# KiCad board Quanta75_BareRP2040_JLCPCBAoptimized.kicad_pcb (continued)
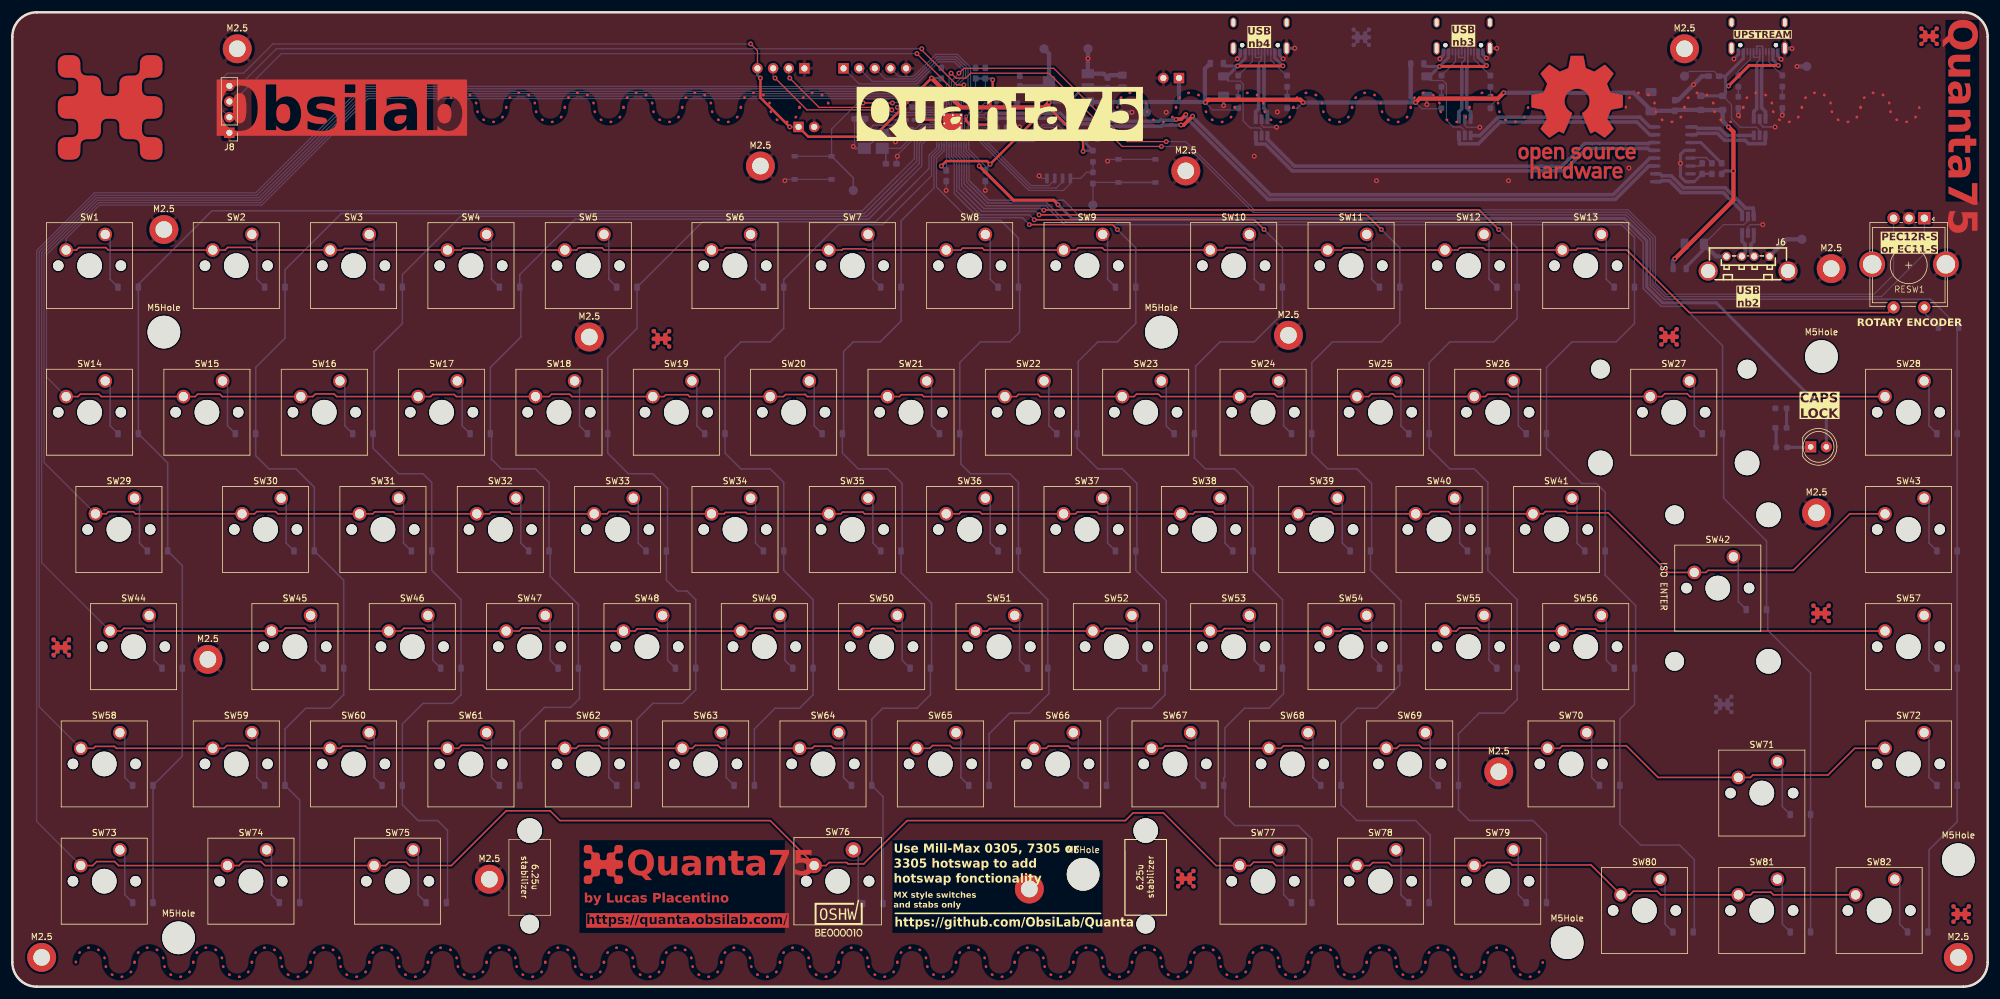
[diagram p0: board, top side]
## Footprints (pads in the part's own frame, mm; a bottom-side part is the same pattern mirrored in y, then rotated)
C_0402_1005Metric_Pad0.74x0.62mm_HandSolder
  rrect 0.735x0.62 smd: 1(-0.568,0) 2(0.568,0)
C_0603_1608Metric_Pad1.08x0.95mm_HandSolder
  rrect 1.075x0.95 smd: 1(-0.863,0) 2(0.863,0)
C_0805_2012Metric_Pad1.18x1.45mm_HandSolder
  rrect 1.175x1.45 smd: 1(-1.038,0) 2(1.038,0)
C_1206_3216Metric_Pad1.33x1.80mm_HandSolder
  rrect 1.325x1.8 smd: 1(-1.562,0) 2(1.562,0)
Crystal_SMD_3225-4Pin_3.2x2.5mm_HandSoldering
  rect 2.1x1.8 smd: 1(-1.45,-1.15) 2(1.45,-1.15) 3(1.45,1.15) 4(-1.45,1.15)
D_SOD-123
  rrect 0.9x1.2 smd: 1(-1.65,0) 2(1.65,0)
Ferrite_0805_2012Metric
  rrect 0.875x1.2 smd: 1(-1.062,0) 2(1.062,0)
Ferrite_0805_2012Metric_Pad1.05x1.20mm_BigPads
  rrect 1.05x1.2 smd: 1(-1.15,0) 2(1.15,0)
LED_D5.0mm_Clear
  rect 1.8x1.8 hole 0.9: 1(0,0)
  round 1.8 hole 0.9: 2(2.54,0)
MountingHole_2.7mm_M2.5_DIN965_Pad
  round 4.7 hole 2.7: 1(0,0)
MountingHole_5.3mm_M5
  round 5.3 hole 5.3 unplated: (0,0)
PinHeader_1x02_P2.54mm_Vertical
  rect 1.7x1.7 hole 1: 1(0,0)
  oval 1.7x1.7 hole 1: 2(0,-2.54)
PinHeader_1x04_P2.54mm_Vertical
  rect 1.7x1.7 hole 1: 1(0,0)
  oval 1.7x1.7 hole 1: 2(0,-2.54) 3(0,-5.08) 4(0,-7.62)
PinHeader_1x05_P2.54mm_Vertical
  rect 1.7x1.7 hole 1: 1(0,0)
  oval 1.7x1.7 hole 1: 2(0,-2.54) 3(0,-5.08) 4(0,-7.62) 5(0,-10.16)
QFN-56-1EP_7x7mm_P0.4mm_EP3.2x3.2mm_ThermalVias
  custom 1.239x1.239 smd: (-0.675,-0.675) (-0.675,0.675) (0.675,-0.675) (0.675,0.675)
  rrect 0.875x0.2 smd: 1(-3.438,2.6) 2(-3.438,2.2) 3(-3.438,1.8) 4(-3.438,1.4) 5(-3.438,1) 6(-3.438,0.6) 7(-3.438,0.2) 8(-3.438,-0.2) 9(-3.438,-0.6) 10(-3.438,-1) 11(-3.438,-1.4) 12(-3.438,-1.8) 13(-3.438,-2.2) 14(-3.438,-2.6) 29(3.438,-2.6) 30(3.438,-2.2) 31(3.438,-1.8) 32(3.438,-1.4) 33(3.438,-1) 34(3.438,-0.6) 35(3.438,-0.2) 36(3.438,0.2) 37(3.438,0.6) 38(3.438,1) 39(3.438,1.4) 40(3.438,1.8) 41(3.438,2.2) 42(3.438,2.6)
  rrect 0.2x0.875 smd: 15(-2.6,-3.438) 16(-2.2,-3.438) 17(-1.8,-3.438) 18(-1.4,-3.438) 19(-1,-3.438) 20(-0.6,-3.438) 21(-0.2,-3.438) 22(0.2,-3.438) 23(0.6,-3.438) 24(1,-3.438) 25(1.4,-3.438) 26(1.8,-3.438) 27(2.2,-3.438) 28(2.6,-3.438) 43(2.6,3.438) 44(2.2,3.438) 45(1.8,3.438) 46(1.4,3.438) 47(1,3.438) 48(0.6,3.438) 49(0.2,3.438) 50(-0.2,3.438) 51(-0.6,3.438) 52(-1,3.438) 53(-1.4,3.438) 54(-1.8,3.438) 55(-2.2,3.438) 56(-2.6,3.438)
  round 0.5 hole 0.3: 57(-1.35,-1.35) 57(-1.35,1.35) 57(-1.346,0) 57(0,-1.346) 57(0,0) 57(0,1.35) 57(1.346,0) 57(1.35,-1.35) 57(1.35,1.35)
  rect 3.2x3.2 smd far side: 57(0,0)
  rect 3.2x3.2 smd: 57(0,0)
R_0402_1005Metric_Pad0.72x0.64mm_HandSolder
  rrect 0.715x0.64 smd: 1(-0.598,0) 2(0.598,0)
R_0603_1608Metric_Pad0.98x0.95mm_HandSolder
  rrect 0.975x0.95 smd: 1(-0.912,0) 2(0.912,0)
RotaryEncoder_both_AlpsEC11E-S_BournsPEC12R-3-S
  rect 2x2 hole 1.19: A(-7.592,11.943)
  round 2 hole 1.19: B(-7.592,6.943) C(-7.592,9.443)
  round 2 hole 1: S1(6.908,6.943) S2(6.908,11.943)
  round 4.2 hole 3: SH(-0.098,15.44) SH(-0.094,3.473)
SOIC-8_5.23x5.23mm_P1.27mm
  rrect 1.6x0.6 smd: 1(-3.6,1.905) 2(-3.6,0.635) 3(-3.6,-0.635) 4(-3.6,-1.905) 5(3.6,-1.905) 6(3.6,-0.635) 7(3.6,0.635) 8(3.6,1.905)
SOP-16_L10.0-W3.9-P1.27-LS6.0-BL
  oval 0.56x1.75 smd: 1(-4.45,-2.87) 2(-3.18,-2.87) 3(-1.91,-2.87) 4(-0.63,-2.87) 5(0.63,-2.87) 6(1.9,-2.87) 7(3.17,-2.87) 8(4.44,-2.87) 9(4.44,2.87) 10(3.17,2.87) 11(1.9,2.87) 12(0.63,2.87) 13(-0.63,2.87) 14(-1.91,2.87) 15(-3.18,2.87) 16(-4.45,2.87)
SOT-23-6_Handsoldering
  rect 1.56x0.65 smd: 1(-1.35,0.95) 2(-1.35,0) 3(-1.35,-0.95) 4(1.35,-0.95) 5(1.35,0) 6(1.35,0.95)
SOT-223-3_TabPin2
  rect 2x1.5 smd: 1(-3.15,2.3) 2(-3.15,0) 3(-3.15,-2.3)
  rect 2x3.8 smd: 2(3.15,0)
Stabilizer_Cherry_MX_6.25u
  round 3.048 hole 3.048 unplated: (-50,6.985) (50,6.985)
  round 3.988 hole 3.988 unplated: (-50,-8.225) (50,-8.225)
SW_Cherry_MX_1.00u_PCB
  round 1.7 hole 1.7 unplated: (-7.62,-5.08) (2.54,-5.08)
  round 4 hole 4 unplated: (-2.54,-5.08)
  round 2.2 hole 1.5: 1(0,0) 2(-6.35,-2.54)
SW_Cherry_MX_1.25u_PCB
  round 1.7 hole 1.7 unplated: (-7.62,-5.08) (2.54,-5.08)
  round 4 hole 4 unplated: (-2.54,-5.08)
  round 2.2 hole 1.5: 1(0,0) 2(-6.35,-2.54)
SW_Cherry_MX_1.50u_PCB
  round 1.7 hole 1.7 unplated: (-7.62,-5.08) (2.54,-5.08)
  round 4 hole 4 unplated: (-2.54,-5.08)
  round 2.2 hole 1.5: 1(0,0) 2(-6.35,-2.54)
SW_Cherry_MX_1.75u_PCB
  round 1.7 hole 1.7 unplated: (-7.62,-5.08) (2.54,-5.08)
  round 4 hole 4 unplated: (-2.54,-5.08)
  round 2.2 hole 1.5: 1(0,0) 2(-6.35,-2.54)
SW_Cherry_MX_2.00u_PCB
  round 3.05 hole 3.05 unplated: (-14.44,1.92) (9.36,1.92)
  round 4 hole 4 unplated: (-14.44,-13.32) (-2.54,-5.08) (9.36,-13.32)
  round 1.7 hole 1.7 unplated: (-7.62,-5.08) (2.54,-5.08)
  round 2.2 hole 1.5: 1(0,0) 2(-6.35,-2.54)
SW_Cherry_MX_ISOEnter_PCB
  round 3.05 hole 3.05 unplated: (-9.54,6.82) (-9.54,-16.98)
  round 1.7 hole 1.7 unplated: (-7.62,-5.08) (2.54,-5.08)
  round 4 hole 4 unplated: (-2.54,-5.08) (5.7,6.82) (5.7,-16.98)
  round 2.2 hole 1.5: 1(0,0) 2(-6.35,-2.54)
SW_Cherry_MX_PCB_6.25u
  round 1.75 hole 1.75 unplated: (-5.08,0) (5.08,0)
  round 4 hole 4 unplated: (0,0)
  round 2.5 hole 1.5: 1(-3.81,2.54) 2(2.54,5.08)
SW_Push_1P1T_XKB_TS-1187A
  rect 1x0.75 smd: 1(-3,1.875) 1(3,1.875) 2(-3,-1.875) 2(3,-1.875)
TestPoint_Pad_D1.5mm
  round 1.5 smd: 1(0,0)
USB-A-TH_KH-AF180ZJ-13.7
  round 1.5 hole 1: 1(-3.52,1.2) 2(-1.02,1.2) 3(0.98,1.2) 4(3.48,1.2)
  round 3.1 hole 2.3: 5(6.48,-1.18) 6(-6.48,-1.2)
USB-C-SMD_G-SWITCH_GT-USB-7010EN
  round 0.7 hole 0.7: (-2.89,1.3) (2.89,1.3)
  oval 1x2.1 hole 0.6x1.7: 1(-4.32,1.8) 2(4.32,1.8)
  oval 1x1.6 hole 0.6x1.3: 3(4.32,-2.38) 4(-4.32,-2.38)
  rect 0.6x1.15 smd: A1(-3.2,2.38) A4(-2.4,2.38) B1(3.2,2.38) B4(2.4,2.38)
  rect 0.3x1.15 smd: A5(-1.25,2.38) A6(-0.25,2.38) A7(0.25,2.38) A8(1.25,2.38) B5(1.75,2.38) B6(0.75,2.38) B7(-0.75,2.38) B8(-1.75,2.38)

## Nets
+1V1: C16.1 C17.1 C25.1 U1.23 U1.45 U1.50
+3V3: C12.1 C14.1 C18.1 C19.1 C20.1 C21.1 C22.1 C26.1 C27.1 C28.2 J3.1 J5.4 J8.2 R16.2 R21.2 TP3.1 U1.1 U1.10 U1.22 U1.33 U1.42 U1.43 U1.44 U1.48 U1.49 U3.2 U4.8
+5V: C3.2 C7.2 C9.2 C13.1 C15.2 FB4.2 FB5.1 FB6.1 FB7.1 FB9.2 J2.1 R6.2 R9.2 R11.2 R14.2 TP4.1 U3.3
GND: C1.2 C2.2 C4.1 C5.2 C6.2 C7.1 C8.1 C9.1 C10.2 C11.2 C12.2 C13.2 C14.2 C15.1 C16.2 C17.2 C18.2 C19.2 C20.2 C21.2 C22.2 C25.2 C26.2 C27.2 C28.1 D83.2 D84.2 D85.2 D86.2 J1.2 J1.A1 J1.B1 J2.2 J3.2 J5.1 J6.4 J6.5 J7.2 J7.A1 J7.B1 J8.1 J9.2 J9.A1 J9.B1 J10.5 M2.5.1 M2.5#2.1 M2.5#4.1 M2.5#5.1 M2.5#6.1 M2.5#7.1 M2.5#8.1 M2.5#9.1 M2.5#10.1 M2.5#11.1 M2.5#12.1 M2.5#13.1 R1.2 R3.2 R15.2 RESW1.C RESW1.SH TP5.1 TP6.1 TP14.1 U1.19 U1.57 U2.12 U2.16 U3.1 U4.4 Y1.2 Y1.4 ~{BOOTSEL}.2 ~{RESET}.1
VBUS_UP: C4.2 D83.5 FB4.1 FB9.1 J1.A4 J1.B4 TP13.1
/GPIO24_SPI1RX_UART1TX_I2C0SDA_PWM4A_CLOCKGPOUT2: J10.1 U1.36
/GPIO25_SPI1CSn_UART1RX_I2C0SCL_PWM4B_CLOCKGPOUT3: J10.2 U1.37
/GPIO28_ADC2_SPI1RX_UART0TX_I2C0SDA_PWM6A: J10.3 U1.40
/GPIO29_ADC3_SPI1CSn_UART0RX_I2C0SCL_PWM6B: J10.4 U1.41
/RP2040_D+: R19.1 U1.47
/RP2040_D-: R20.1 U1.46
/SWCLK: J5.3 U1.24
/SWD: J5.2 U1.25
/USB2+: D84.1 J6.3
/USB2-: D84.3 J6.2
/USB3+: D85.3 J9.A6 J9.B6
/USB3-: D85.1 J9.A7 J9.B7
/USB4+: D86.3 J7.A6 J7.B6
/USB4-: D86.1 J7.A7 J7.B7
/USBUP+: D83.4 U2.10
/USBUP-: D83.6 U2.9
/XIN: C10.1 U1.20 Y1.3
/XOUT: R18.1 U1.21
/~{RESET}: R21.1 TP2.1 U1.26 ~{RESET}.2
/~{USB_BOOT}: R17.1 TP1.1 ~{BOOTSEL}.1
Column1: D1.1 D14.1 D29.1 D44.1 D58.1 D73.1 U1.18
Column2: D2.1 D15.1 D30.1 D45.1 D59.1 D74.1 U1.17
Column3: D3.1 D16.1 D31.1 D46.1 D60.1 D75.1 U1.16
Column4: D4.1 D17.1 D32.1 D47.1 D61.1 U1.15
Column5: D5.1 D18.1 D33.1 D48.1 D62.1 U1.14
Column6: D6.1 D19.1 D34.1 D49.1 D63.1 U1.13
Column7: D7.1 D20.1 D35.1 D50.1 D64.1 D76.1 U1.12
Column8: D8.1 D21.1 D36.1 D51.1 D65.1 U1.11
Column9: D9.1 D22.1 D37.1 D52.1 D66.1 U1.9
Column10: D10.1 D23.1 D38.1 D53.1 D67.1 D77.1 U1.8
Column11: D11.1 D24.1 D39.1 D54.1 D68.1 D78.1 U1.7
Column12: D12.1 D25.1 D40.1 D55.1 D69.1 D79.1 U1.6
Column13: D13.1 D26.1 D41.1 D56.1 D70.1 D80.1 U1.5
Column14: D27.1 D42.1 D71.1 D81.1 U1.4
Column15: D28.1 D43.1 D57.1 D72.1 D82.1 RESWD1.1 U1.3
GPIO0_LED: D87.2 U1.2
I2C1-SCL: J8.3 U1.39
I2C1-SDA: J8.4 U1.38
QSPI_SCLK: U1.52 U4.6
QSPI_SD0: U1.53 U4.5
QSPI_SD1: U1.55 U4.2
QSPI_SD2: U1.54 U4.3
QSPI_SD3: U1.51 U4.7
QSPI_SS: R16.1 R17.2 U1.56 U4.1
REA: RESW1.A U1.34
REB: RESW1.B U1.35
Row1: RESW1.S1 SW1.2 SW2.2 SW3.2 SW4.2 SW5.2 SW6.2 SW7.2 SW8.2 SW9.2 SW10.2 SW11.2 SW12.2 SW13.2 U1.27
Row2: SW14.2 SW15.2 SW16.2 SW17.2 SW18.2 SW19.2 SW20.2 SW21.2 SW22.2 SW23.2 SW24.2 SW25.2 SW26.2 SW27.2 SW28.2 U1.28
Row3: SW29.2 SW30.2 SW31.2 SW32.2 SW33.2 SW34.2 SW35.2 SW36.2 SW37.2 SW38.2 SW39.2 SW40.2 SW41.2 SW42.2 SW43.2 U1.29
Row4: SW44.2 SW45.2 SW46.2 SW47.2 SW48.2 SW49.2 SW50.2 SW51.2 SW52.2 SW53.2 SW54.2 SW55.2 SW56.2 SW57.2 U1.30
Row5: SW58.2 SW59.2 SW60.2 SW61.2 SW62.2 SW63.2 SW64.2 SW65.2 SW66.2 SW67.2 SW68.2 SW69.2 SW70.2 SW71.2 SW72.2 U1.31
Row6: SW73.2 SW74.2 SW75.2 SW76.1 SW77.2 SW78.2 SW79.2 SW80.2 SW81.2 SW82.2 U1.32
USB1_D+: R19.2 U2.4
USB1_D-: R20.2 U2.3
USB2_D+: D84.6 U2.2
USB2_D-: D84.4 U2.1
USB3_D+: D85.4 U2.8
USB3_D-: D85.6 U2.7
USB4_D+: D86.4 U2.6
USB4_D-: D86.6 U2.5
USB_UP_D+: D83.3 J1.A6 J1.B6
USB_UP_D-: D83.1 J1.A7 J1.B7
Net-(C11-Pad1): C11.1 R18.2 Y1.1
Net-(D1-A): D1.2 SW1.1
Net-(D2-A): D2.2 SW2.1
Net-(D3-A): D3.2 SW3.1
Net-(D4-A): D4.2 SW4.1
Net-(D5-A): D5.2 SW5.1
Net-(D6-A): D6.2 SW6.1
Net-(D7-A): D7.2 SW7.1
Net-(D8-A): D8.2 SW8.1
Net-(D9-A): D9.2 SW9.1
Net-(D10-A): D10.2 SW10.1
Net-(D11-A): D11.2 SW11.1
Net-(D12-A): D12.2 SW12.1
Net-(D13-A): D13.2 SW13.1
Net-(D14-A): D14.2 SW14.1
Net-(D15-A): D15.2 SW15.1
Net-(D16-A): D16.2 SW16.1
Net-(D17-A): D17.2 SW17.1
Net-(D18-A): D18.2 SW18.1
Net-(D19-A): D19.2 SW19.1
Net-(D20-A): D20.2 SW20.1
Net-(D21-A): D21.2 SW21.1
Net-(D22-A): D22.2 SW22.1
Net-(D23-A): D23.2 SW23.1
Net-(D24-A): D24.2 SW24.1
Net-(D25-A): D25.2 SW25.1
Net-(D26-A): D26.2 SW26.1
Net-(D27-A): D27.2 SW27.1
Net-(D28-A): D28.2 SW28.1
Net-(D29-A): D29.2 SW29.1
Net-(D30-A): D30.2 SW30.1
Net-(D31-A): D31.2 SW31.1
Net-(D32-A): D32.2 SW32.1
Net-(D33-A): D33.2 SW33.1
Net-(D34-A): D34.2 SW34.1
Net-(D35-A): D35.2 SW35.1
Net-(D36-A): D36.2 SW36.1
Net-(D37-A): D37.2 SW37.1
Net-(D38-A): D38.2 SW38.1
Net-(D39-A): D39.2 SW39.1
Net-(D40-A): D40.2 SW40.1
Net-(D41-A): D41.2 SW41.1
Net-(D42-A): D42.2 SW42.1
Net-(D43-A): D43.2 SW43.1
Net-(D44-A): D44.2 SW44.1
Net-(D45-A): D45.2 SW45.1
Net-(D46-A): D46.2 SW46.1
Net-(D47-A): D47.2 SW47.1
Net-(D48-A): D48.2 SW48.1
Net-(D49-A): D49.2 SW49.1
Net-(D50-A): D50.2 SW50.1
Net-(D51-A): D51.2 SW51.1
Net-(D52-A): D52.2 SW52.1
Net-(D53-A): D53.2 SW53.1
Net-(D54-A): D54.2 SW54.1
Net-(D55-A): D55.2 SW55.1
Net-(D56-A): D56.2 SW56.1
Net-(D57-A): D57.2 SW57.1
Net-(D58-A): D58.2 SW58.1
Net-(D59-A): D59.2 SW59.1
Net-(D60-A): D60.2 SW60.1
Net-(D61-A): D61.2 SW61.1
Net-(D62-A): D62.2 SW62.1
Net-(D63-A): D63.2 SW63.1
Net-(D64-A): D64.2 SW64.1
Net-(D65-A): D65.2 SW65.1
Net-(D66-A): D66.2 SW66.1
Net-(D67-A): D67.2 SW67.1
Net-(D68-A): D68.2 SW68.1
Net-(D69-A): D69.2 SW69.1
Net-(D70-A): D70.2 SW70.1
Net-(D71-A): D71.2 SW71.1
Net-(D72-A): D72.2 SW72.1
Net-(D73-A): D73.2 SW73.1
Net-(D74-A): D74.2 SW74.1
Net-(D75-A): D75.2 SW75.1
Net-(D76-A): D76.2 SW76.2
Net-(D77-A): D77.2 SW77.1
Net-(D78-A): D78.2 SW78.1
Net-(D79-A): D79.2 SW79.1
Net-(D80-A): D80.2 SW80.1
Net-(D81-A): D81.2 SW81.1
Net-(D82-A): D82.2 SW82.1
Net-(D84-VP): C8.2 D84.5 FB5.2 J6.1
Net-(D85-VP): C5.1 D85.5 FB6.2 J9.A4 J9.B4
Net-(D86-VP): C6.1 D86.5 FB7.2 J7.A4 J7.B4
Net-(D87-K): D87.1 R12.1
Net-(J1-CC1): J1.A5 R4.1
Net-(J1-CC2): J1.B5 R2.1
Net-(J7-CC1): J7.A5 R5.1
Net-(J7-CC2): J7.B5 R8.1
Net-(J9-CC1): J9.A5 R10.1
Net-(J9-CC2): J9.B5 R7.1
Net-(R1-Pad1): R1.1 R4.2
Net-(R2-Pad2): R2.2 R3.1
Net-(R5-Pad2): R5.2 R6.1
Net-(R8-Pad2): R8.2 R9.1
Net-(R10-Pad2): R10.2 R14.1
Net-(R11-Pad1): R7.2 R11.1
Net-(R12-Pad2): R12.2 R13.1
Net-(R13-Pad2): R13.2 R15.1
Net-(RESWD1-A): RESW1.S2 RESWD1.2
Net-(U2-VDD5): C3.1 U2.11
Net-(U2-VDD18): C2.1 U2.14
Net-(U2-VDD33): C1.1 U2.13

Pads without a net: J1 1 3 4 A8 B8; J6 6; J7 1 3 4 A8 B8; J9 1 3 4 A8 B8; M2.5#3 1; M2.5#14 1; M2.5#15 1; U2 15

## Via types
v1: diameter 0.8, hole 0.4, Top to Bottom, 91 vias
v2: diameter 0.6, hole 0.35, Top to Bottom, 4 vias

## Routing (per net, layer and track width the routed paths; a pad name or vN(x,y) marks a point on that pad's centre or on a via; arc(x,y) is an arc through that point)
+1V1: length 31.8
  Top w0.4: v2(147.18,140.83) 147.23,140.88 150.64,140.88 150.66,140.9 150.66,140.93 ; v2(154.86,141.41) 154.86,140.67 155.47,140.07 v2(158.57,140.07)
  Bottom w0.2: U1.50 158.56,140.07 v2(158.57,140.07) 159.02,139.61 159.69,139.61 ; v2(147.18,140.83) 147.22,140.88 U1.23 ; C17.1 160.69,142.88 157.96,142.88 157.16,142.07 U1.45 155.53,142.07 v2(154.86,141.41) 154.56,141.1 ; 150.76,140.87 v2(150.69,140.93)
  Bottom w0.25: 150.76,140.87 150.76,138.38 154.56,138.38 154.56,141.1 ; v2(147.18,140.83) 146.37,140.83
+3V3: length 293.3
  Top w0.2: v1(119.86,153.19) 120.97,152.08 J5.4
  Top w0.4: v1(173.83,135.73) 173.83,137.32 168.3,142.85 v1(168.3,143.67) 168.3,143.2 v1(158.73,133.64) 158.23,134.15 151.61,134.15 v1(150.81,133.35) ; v1(159.15,147.35) 159.15,144.87 v1(158.75,144.46) 158.75,142.88 ; v1(143.68,142.88) 144.47,142.88 ; 144.47,142.88 144.47,142.74 139.84,138.11 129.22,138.11 J3.1 ; 144.47,142.88 v1(149.23,147.64) ; v1(126.21,139.7) 121.44,144.46 v1(121.44,147.64)
  Top w0.7: v1(149.23,147.64) 153.99,142.88 167.51,142.88 v1(168.3,143.67)
  Bottom w0.2: 151.61,142.88 151.66,142.92 U1.33 151.66,146.73 C18.1 ; C22.1 156.37,145.26 155.26,144.14 U1.42 155.26,142.91 ; 155.29,142.88 U1.43 156.37,143.15 156.37,144.43 157.96,146.02 C21.1 ; 155.29,142.88 155.26,142.91 ; 155.29,142.88 155.69,142.47 U1.44 156.72,142.47 157.87,143.62 C26.1 ; 155.26,142.91 155.3,142.87 ; C20.1 157.96,133.35 155.26,136.05 U1.1 155.26,137.63 155.24,137.64 155.24,137.65 155.01,137.87 ; 151.66,137.64 U1.10 151.66,132.67 C19.1 ; v1(119.86,153.19) 42.3,153.19 37.53,148.43 34.93,148.43 33.34,146.84 33.34,143.19 J8.2 ; U1.49 155.21,140.47 155.19,140.49 155.57,140.88 U1.48 ; U1.22 150,140.47 150.02,140.49
  Bottom w0.25: U4.8 173.51,138.54 C27.1 ; 150,140.47 150.02,140.46 150.02,138.11 150.49,137.64 154.78,137.64 155.19,138.05 155.19,140.49 ; 150.02,140.49 150.02,142.08 150.81,142.88 155.29,142.88
  Bottom w0.4: C20.1 157.96,132.86 v1(158.73,133.64) ; C27.1 174.33,136.94 R16.2 173.95,135.85 v1(173.83,135.73) ; U3.2 173.83,146.05 171.45,143.67 v1(168.3,143.67) ; C26.1 158.62,144.33 v1(158.75,144.46) ; v1(126.21,139.7) J3.1 ; J5.4 120.97,148.11 v1(121.44,147.64) ; R21.2 143.68,142.88 v1(143.68,142.88) ; C22.1 C21.1 158.94,147.57 v1(159.15,147.35) ; C19.1 151.54,132.62 v1(150.81,133.35) ; v1(149.23,147.64) 150.74,147.64 C18.1
  Bottom w0.7: TP3.1 168.3,151.58 U3.2 ; C12.1 180.13,145.98 C14.1 177.73,146.05 U3.2 ; U3.2 168.06,146.29 163.57,146.29 C28.2 ; U3.2 v1(168.3,143.67)
+5V: length 278.8
  Top w0.4: 179.39,142.88 arc(181.77,145.26) 184.15,142.88 arc(186.53,140.49) 188.91,142.88 arc(191.29,145.26) 193.68,142.88 arc(196.06,140.49) 198.44,142.88 arc(200.82,145.26) 203.2,142.88 arc(205.58,140.49) 207.96,142.88 arc(210.34,145.26) 212.73,142.88 arc(215.11,140.49) 217.49,142.88 arc(219.87,145.26) 222.25,142.88 arc(224.63,140.49) 227.01,142.88 arc(229.39,145.26) 231.78,142.88 arc(234.16,140.49) 236.54,142.88 arc(238.92,145.26) 241.3,142.88 arc(243.68,140.49) 246.06,142.88
  Top w0.7: v1(269.88,118.27) 279.4,127.79 v1(279.4,132.56) 279.4,138.91 v1(278.61,139.7) ; v1(193.68,143.67) 194.13,144.12 209.1,144.12 v1(209.55,143.67) ; v1(242.09,145.26) 241.14,144.3 228.44,144.3 v1(227.81,143.67)
  Bottom w0.2: R14.2 231.9,142.65 228.83,142.65 v1(227.81,143.67) ; v1(193.68,143.67) 194.87,142.47 198.73,142.47 R6.2 ; v1(209.55,143.67) 208.63,142.75 R9.2 ; v1(242.09,145.26) 239.95,143.12 R11.2
  Bottom w0.5: 274.12,142.44 FB4.2 ; 266.11,142.32 C9.2 ; C3.2 277.98,132.56 v1(279.4,132.56) ; 270.02,142.46 C7.2
  Bottom w0.7: U3.3 177.79,143.75 C13.1 179.89,143.74 C15.2 184.15,143.75 ; 189.58,143.75 193.59,143.75 ; 189.58,143.75 189.39,143.93 J2.1 ; 189.58,143.75 184.15,143.75 ; 193.59,143.75 193.59,149.14 FB7.1 ; 193.59,143.75 v1(193.68,143.67) ; v1(278.61,139.7) 277.65,140.66 FB9.2 274.12,142.44 ; 184.15,143.75 TP4.1 ; FB5.1 269.61,118 v1(269.88,118.27) ; FB4.2 270.02,142.46 ; C7.2 266.11,142.32 263.18,145.26 v1(242.09,145.26) ; v1(209.55,143.67) v1(227.81,143.67) 227.01,144.46 FB6.1
GND: length 200.2
  Top w0.4: 261.94,142.88 arc(264.32,145.26) 266.7,142.88 arc(269.08,140.49) 271.46,142.88 arc(273.84,145.26) 276.23,142.88 arc(278.61,140.49) 280.99,142.88 arc(283.37,145.26) 285.75,142.88 arc(288.13,140.49) 290.51,142.88 arc(292.89,145.26) 295.28,142.88 arc(297.66,140.49) 300.04,142.88 arc(302.42,145.26) 304.8,142.88 arc(307.18,140.49) 309.56,142.88
  Bottom w0.2: v1(205.23,139.66) 203.12,139.66 202.8,139.98 D86.2 ; C19.2 v1(151.61,129.38) ; C10.2 143.53,134.8 v1(143.67,134.94) 143.67,135.14 147.8,139.28 U1.19 ; C26.2 160.6,144.46 161.13,144.46 ; D85.2 235.78,140.01 236.15,139.64 v1(238.22,139.64) ; ~{RESET}.1 ~{RESET}.1 125.63,131.19 v1(125.41,130.97) ; 161.13,144.46 162.18,144.46 C17.2 ; 161.13,144.46 v1(161.13,145.26) ; v1(166.69,131.76) 167.11,131.34 U4.4 ; v1(136.53,136.53) 136.72,136.72 C11.2 ; v1(177.8,134.14) 178.09,134.43 ~{BOOTSEL}.2 ~{BOOTSEL}.2 ; C16.2 163.42,139.61 v1(163.51,139.7) ; D84.2 281.76,123.45 282.13,123.83 v1(284.16,123.83) ; C20.2 v1(157.96,129.38)
  Bottom w0.25: v1(286.16,139.69) 286.16,139.69 284.21,139.69 283.66,140.25 D83.2 ; v1(141.29,140.69) 141.43,140.83 145.18,140.83 ; 138.62,136.23 Y1.4 138.61,136.23 140.91,138.53 Y1.2
  Bottom w0.4: U2.16 273.06,130.81 C2.2 275.89,132.07 C1.2 ; v1(136.53,136.53) 136.82,136.23 Y1.4 ; Y1.2 142.13,138.53 v1(143.38,137.27)
  Bottom w0.5: J1.A1 280.21,151.49 v1(279.48,150.76) ; U2.12 271.45,135.89 270.8,135.24 v1(270.8,133.78) 270.8,131.63 271.63,130.81 U2.16 ; v1(239.31,150.88) 238.73,151.45 J9.B1 ; v1(208.19,152.49) 208.18,152.48 J7.2 ; v1(198.87,150.76) 199.34,151.23 J7.A1 ; v1(240.98,152.47) 240.97,152.48 J9.2 ; C6.2 v1(196.63,143.17) ; v1(206.3,150.77) 205.74,151.34 J7.B1 ; C5.2 229.63,143.35 v1(229.62,143.35) ; J1.B1 286.61,151.22 v1(287.14,150.7) ; J9.A1 232.33,151.37 v1(231.74,150.78)
  Bottom w0.7: J1.2 287.79,152.44 v1(288.9,152.44) ; C4.1 274.3,147.95 v1(272.93,146.57) 270.4,144.05 C7.1 ; TP6.1 v1(174.63,150.81) 174.6,150.79 U3.1 177.16,148.35 C14.2 178.21,148.11 C12.2 ; R1.2 v1(280.19,141.6) ; J6.5 288.54,116.3 ; R3.2 v1(287.34,141.6) ; C13.2 177.81,142.02 C15.1 181.71,142.02 v1(181.77,142.08) ; TP14.1 v1(289.72,149.53) ; TP5.1 288.03,121.44 J6.4
  vias: v1(187.33,142.08) v1(201.61,134.94) v1(205.36,142.13) v1(221.46,130.97) v1(242.89,130.97) v1(262.44,133.02)
VBUS_UP: length 42.4
  Top w0.5: v1(278.61,146.36) 281.94,149.69 v1(286.7,149.69)
  Bottom w0.2: C4.2 276.31,148.72 272.24,148.72 TP13.1 ; FB9.1 279.09,143.3 279.09,141.08 280.51,139.65 283.12,139.65 283.66,139.11 D83.5
  Bottom w0.5: FB4.1 274.12,144.74 FB9.1 278.11,145.21 278.11,146.36 ; J1.A4 281.01,150.84 278.11,147.95 ; v1(286.7,149.69) 285.81,150.58 J1.B4 ; v1(278.61,146.36) 278.11,146.36 ; 278.11,146.36 278.11,147.95 ; 278.11,147.95 C4.2
/GPIO24_SPI1RX_UART1TX_I2C0SDA_PWM4A_CLOCKGPOUT2: length 28.3
  Bottom w0.2: J10.1 137.46,146.7 146.81,146.7 150.4,150.29 152.93,150.29 154.38,148.84 154.38,148.03 152.86,146.5 U1.36
/GPIO25_SPI1CSn_UART1RX_I2C0SCL_PWM4B_CLOCKGPOUT3: length 26.3
  Bottom w0.2: U1.37 153.26,146.29 154.78,147.81 154.78,149 153.09,150.69 150.23,150.69 146.64,147.1 139.6,147.1 J10.2
/GPIO28_ADC2_SPI1RX_UART0TX_I2C0SDA_PWM6A: length 24.7
  Bottom w0.2: J10.3 141.74,147.5 146.48,147.5 150.06,151.09 153.26,151.09 155.18,149.17 155.18,145.19 154.46,144.47 U1.40 154.46,144.46
/GPIO29_ADC3_SPI1CSn_UART0RX_I2C0SCL_PWM6B: length 21.9
  Bottom w0.2: J10.4 143.88,147.9 146.31,147.9 149.9,151.49 153.42,151.49 155.58,149.33 155.58,145.03 154.86,144.31 U1.41
/RP2040_D+: length 2.7
  Bottom w0.2: U1.47 157.8,141.28 158.09,140.98 R19.1
/RP2040_D-: length 2.7
  Bottom w0.2: U1.46 157.77,141.68 158.09,142 R20.1
/SWCLK: length 29.9
  Top w0.2: v1(123.83,147.64) 128.99,142.47 141.69,142.47 141.9,142.27 v1(141.9,141.98)
  Bottom w0.2: v1(141.9,141.98) 142.25,141.63 147.42,141.63 147.77,141.28 U1.24 ; J5.3 123.51,147.95 v1(123.83,147.64)
/SWD: length 27.1
  Top w0.2: v1(126.21,147.64) 130.97,142.88 142.36,142.88 v1(142.77,142.46)
  Bottom w0.2: U1.25 147.93,141.68 147.58,142.03 143.2,142.03 v1(142.77,142.46) ; J5.2 126.05,147.8 v1(126.21,147.64)
/USB2+: length 4.2
  Bottom w0.584: J6.3 282.24,119.2 282.24,120.64 282.71,121.11 D84.1
/USB2-: length 4.2
  Bottom w0.584: J6.2 281.29,119.2 281.29,120.65 280.81,121.13 D84.3
/USB3+: length 13.9
  Bottom w0.25: J9.A6 235.28,152.78 235.31,152.8 236.26,152.8 236.28,152.78 J9.B6 ; 236.29,149.51 236.29,151.1 ; 236.29,151.9 236.29,151.11
  Bottom w0.584: 236.26,149.4 236.1,149.23 236.1,142.8 236.74,142.16 236.74,140.99
/USB3-: length 12.9
  Bottom w0.25: 234.79,151.9 234.79,151.02 ; 235.31,149.52 235.31,150.12 235.79,150.6 235.79,151.9 ; 234.81,151 235.69,151
  Bottom w0.584: 234.84,140.99 234.84,142.16 235.31,142.64 235.31,149.4
/USB4+: length 13.7
  Bottom w0.2: J7.A6 202.29,152.73 202.34,152.78 203.24,152.78 203.29,152.73 J7.B6
  Bottom w0.25: 203.29,151.9 203.29,151.11 ; 203.3,149.52 203.3,151.11
  Bottom w0.584: 203.26,149.4 203.2,149.34 203.2,142.7 203.74,142.17 203.74,141
/USB4-: length 12.9
  Bottom w0.25: 202.32,149.52 202.32,150.13 202.79,150.6 202.79,151.9 ; 201.79,151.9 201.79,151.03 ; 201.82,151 202.69,151
  Bottom w0.584: 201.84,141 201.84,142.17 202.31,142.64 202.31,149.4
/USBUP+: length 14.2
  Bottom w0.584: D83.4 284.53,138.24 284.53,136.98 281.83,136.98 281.29,137.53 277.96,137.53 276.82,138.66 273.57,138.66 273.34,138.43 U2.10
/USBUP-: length 10.8
  Bottom w0.584: U2.9 273.32,139.7 273.57,139.45 277.15,139.45 278.28,138.31 D83.6
/XIN: length 12.2
  Bottom w0.2: Y1.3 144.16,136.23 146.05,138.11 146.07,138.11 147.63,139.68 U1.20
  Bottom w0.25: C10.1 141.8,135.64
  Bottom w0.4: 141.8,135.64 Y1.3
/XOUT: length 3.6
  Bottom w0.2: U1.21 147.34,140.07 146.55,139.28 R18.1
/~{RESET}: length 36.1
  Top w0.2: v1(142.88,143.6) v1(138.11,143.6)
  Bottom w0.2: U1.26 148.1,142.07 147.3,142.88 R21.1 145.34,143.65 142.93,143.65 v1(142.88,143.6) ; v1(138.11,143.6) 137.25,143.6 133,139.35 ~{RESET}.2 ~{RESET}.2
  Bottom w0.25: ~{RESET}.2 136.53,131.41 TP2.1
/~{USB_BOOT}: length 13.7
  Bottom w0.2: ~{BOOTSEL}.1 175.6,130.68 R17.1 175.42,130.5 TP1.1
  Bottom w0.25: ~{BOOTSEL}.1 ~{BOOTSEL}.1
Column1: length 246.1
  Bottom w0.2: U1.18 147.97,138.87 146.44,137.35 146.44,134.53 143.67,131.76
  Bottom w0.25: 143.67,131.76 137.98,126.08 32.41,126.08 20.46,114.12 D1.1 D14.1 25.22,85.09 D29.1 27.6,68.43 D44.1 27.6,37.47 D58.1 D73.1
Column2: length 236.4
  Bottom w0.2: U1.17 148.13,138.47 146.84,137.18 146.84,134.14 143.67,130.97
  Bottom w0.25: D74.1 46.65,30.32 D59.1 44.27,41.89 47.63,45.24 51.59,45.24 53.79,47.44 D45.1 53.79,66.04 D30.1 49.03,81.14 46.04,84.14 41.66,84.14 39.51,86.29 D15.1 39.52,89.87 39.52,100.63 44.27,105.39 D2.1 44.27,116.5 53.39,125.62 138.33,125.62 143.67,130.97
Column3: length 221
  Bottom w0.2: U1.16 148.3,138.07 147.24,137.01 147.24,133.74 144.46,130.97
  Bottom w0.25: 144.46,130.97 138.67,125.17 72.79,125.17 63.32,115.71 D3.1 63.32,107.77 58.74,103.19 58.74,90.04 D16.1 58.56,87.49 62.71,83.34 66.68,83.34 68.08,81.94 D31.1 68.08,67.65 72.84,62.89 D46.1 72.84,47.44 71.44,46.04 66.68,46.04 63.32,42.68 D60.1 63.32,29.55 65.88,26.99 69.06,26.99 70.64,25.4 70.64,13.84 D75.1
Column4: length 178.9
  Bottom w0.2: U1.15 148.46,137.68 147.64,136.85 147.64,133.35 145.26,130.97
  Bottom w0.25: 145.26,130.97 139.01,124.72 91.39,124.72 82.37,115.71 D4.1 82.55,113.49 82.55,105.57 77.61,100.62 D17.1 77.79,89.68 77.79,85.72 79.38,84.14 84.93,84.14 87.13,81.94 D32.1 87.31,70.62 87.31,66.68 91.89,62.09 D47.1 92.08,51.57 92.08,46.83 90.63,45.38 86.38,45.38 82.39,41.39 82.39,32.73 D61.1
Column5: length 158.8
  Bottom w0.2: U1.14 150.06,136.33 148.82,135.1 148.82,132.94 146.84,130.97
  Bottom w0.25: D62.1 101.42,43.47 103.98,46.04 108.74,46.04 110.94,48.24 D48.1 110.94,62.89 109.54,64.29 107.95,64.29 106.18,66.06 D33.1 106.36,70.99 106.36,80.96 103.98,83.34 100.01,83.34 96.66,86.7 D18.1 96.66,102.21 101.42,106.97 D5.1 112.03,124.28 140.15,124.28 146.84,130.97
Column6: length 140.5
  Bottom w0.2: U1.13 150.46,136.17 149.22,134.93 149.22,131.76 147.24,129.78
  Bottom w0.25: D63.1 120.47,41.89 123.83,45.24 127.79,45.24 129.99,47.44 D49.1 129.99,62.89 125.23,67.65 D34.1 125.23,81.94 123.03,84.14 118.27,84.14 115.71,86.7 D19.1 115.71,102.21 118.27,104.78 123.03,104.78 125.23,106.97 D6.1 125.23,114.91 134.14,123.83 141.29,123.83 147.24,129.78
Column7: length 149.5
  Bottom w0.2: 148.43,128.59 149.62,129.78 149.62,134.77 150.86,136 U1.12
  Bottom w0.25: D76.1 141.35,30.88 D64.1 139.52,43.47 141.29,45.24 146.84,45.24 149.04,47.44 D50.1 149.23,51.94 149.23,62.31 144.28,67.25 D35.1 144.46,70.99 144.46,81.76 142.08,84.14 137.32,84.14 134.76,86.7 D20.1 134.94,90.04 134.94,103.19 136.53,104.78 140.89,104.78 144.28,108.17 D7.1 144.28,124.44 148.43,128.59
Column8: length 135.6
  Bottom w0.2: 150.3,129.66 150.02,129.94 150.02,134.6 151.26,135.84 U1.11
  Bottom w0.25: 150.3,129.66 155.45,124.51 160.44,124.51 163.33,121.62 D8.1 163.51,113.49 163.51,106.36 161.93,104.78 157.16,104.78 153.81,101.42 D21.1 153.99,89.68 153.99,84.93 155.58,83.34 161.93,83.34 163.33,81.94 D36.1 163.33,67.65 168.09,62.89 D51.1 168.28,51.57 168.28,47.62 165.1,44.45 161.93,44.45 158.57,41.09 D65.1
Column9: length 150.3
  Top w0.25: v1(165.1,123.83) 178.59,123.83 v1(179.39,123.03)
  Bottom w0.2: U1.9 152.06,134.72 152.91,133.86 152.91,128.87 153.19,128.59
  Bottom w0.25: 153.19,128.59 156.82,124.96 163.96,124.96 v1(165.1,123.83) ; D66.1 177.8,32.89 177.8,43.66 179.39,45.24 184.94,45.24 187.14,47.44 D52.1 187.33,51.94 187.33,62.71 182.38,67.65 D37.1 182.56,70.99 182.56,81.76 180.18,84.14 176.21,84.14 172.86,87.49 D22.1 173.04,90.04 173.04,101.6 176.21,104.78 179.39,104.78 182.38,107.77 D9.1 182.38,120.04 v1(179.39,123.03)
Column10: length 207.3
  Top w0.25: v1(203.2,123.03) 201.61,124.62 v1(165.89,124.62)
  Bottom w0.2: U1.8 152.46,134.88 153.31,134.03 153.31,129.26 153.99,128.59
  Bottom w0.25: D77.1 210.96,23.99 208.76,26.19 198.44,26.19 196.85,27.78 196.85,32.53 D67.1 196.67,33.95 196.85,34.13 196.85,42.07 200.03,45.24 203.99,45.24 206.38,47.62 206.38,51.57 D53.1 206.19,62.89 201.43,67.65 D38.1 201.43,81.14 198.44,84.14 193.68,84.14 191.91,85.91 D23.1 192.09,90.04 192.09,100.81 196.06,104.78 201.61,104.78 206.19,109.36 D10.1 206.19,120.04 v1(203.2,123.03) ; v1(165.89,124.62) 165.1,125.41 157.16,125.41 153.99,128.59
Column11: length 226.5
  Top w0.25: v1(166.69,125.41) 219.87,125.41 v1(222.25,123.03)
  Bottom w0.2: 153.99,129.38 153.71,129.66 153.71,134.2 152.86,135.06 U1.7
  Bottom w0.25: v1(222.25,123.03) 225.24,120.04 D11.1 225.24,107.77 222.25,104.78 214.31,104.78 210.96,101.42 D24.1 210.96,86.7 213.52,84.14 218.28,84.14 220.66,81.76 220.66,70.99 D39.1 220.48,67.65 225.43,62.71 225.43,51.94 D54.1 225.24,49.03 221.46,45.24 218.28,45.24 215.72,42.68 D68.1 215.72,29.55 218.28,26.99 227.81,26.99 230.19,24.61 230.19,13.84 D78.1 ; v1(166.69,125.41) 166.11,125.99 157.38,125.99 153.99,129.38
Column12: length 244.5
  Top w0.25: v1(167.44,126.17) 167.48,126.21 238.13,126.21 v1(241.3,123.03)
  Bottom w0.2: 154.78,129.38 154.11,130.05 154.11,134.37 153.26,135.22 U1.6
  Bottom w0.25: v1(241.3,123.03) 244.29,120.04 D12.1 244.29,108.56 240.51,104.78 233.36,104.78 230.01,101.42 D25.1 230.01,87.49 233.36,84.14 237.33,84.14 239.53,81.94 D40.1 239.53,67.65 244.29,62.89 D55.1 244.29,46.65 242.09,44.45 238.13,44.45 234.77,41.09 D69.1 234.77,28.76 236.54,26.99 246.86,26.99 249.06,24.79 D79.1 ; v1(167.44,126.17) 167.21,126.17 166.93,126.44 157.72,126.44 154.78,129.38
Column13: length 259.4
  Bottom w0.2: 154.78,130.18 154.51,130.45 154.51,134.53 153.66,135.39 U1.5
  Bottom w0.25: D80.1 273.05,9.07 273.05,20.64 270.67,23.02 264.32,23.02 260.96,26.38 D70.1 260.96,43.47 263.34,45.86 D56.1 263.53,51.94 263.53,61.91 258.58,66.86 D41.1 258.58,80.35 257.18,81.76 254.79,81.76 249.06,87.49 D26.1 249.06,100.62 253.21,104.78 260.35,104.78 263.34,107.77 D13.1 263.34,121.74 261.27,123.81 170.83,123.81 167.74,126.89 158.06,126.89 154.78,130.18
Column14: length 245.8
  Bottom w0.2: U1.4 154.06,135.55 154.91,134.7 154.91,130.76 155.54,130.14
  Bottom w0.25: 155.54,130.14 158.33,127.34 167.93,127.34 171.01,124.26 261.46,124.26 264.76,120.97 264.76,113.45 267.66,110.55 271.25,110.55 277.63,104.16 D27.1 277.81,89.68 277.81,79.38 284.78,72.41 D42.1 284.96,61.1 284.96,57.94 291.92,50.98 D71.1 291.92,27.97 D81.1
Column15: length 281.5
  Bottom w0.2: 155.58,130.74 155.31,131 155.31,134.86 154.46,135.72 U1.3
  Bottom w0.25: D82.1 311.15,9.07 311.15,22.22 315.73,26.81 315.73,106.91 RESWD1.1 311.43,111.7 268.13,111.7 265.91,113.93 265.91,121.44 261.94,125.41 173.04,125.41 170.66,127.79 158.52,127.79 155.58,130.74
GPIO0_LED: length 168.5
  Top w0.5: v1(156.97,133.35) 162.52,127.79 169.07,127.79 169.75,127.12 v1(169.75,127.07)
  Bottom w0.2: U1.2 154.86,135.89 156.97,133.77 v1(156.97,133.35)
  Bottom w0.5: v1(169.75,127.07) 171.98,124.84 261.7,124.84 265.33,121.21 265.33,113.69 267.9,111.12 276.62,111.12 294.48,93.26 D87.2
I2C1-SCL: length 127
  Top w0.2: v1(146.84,151.61) 152.93,145.52 v1(154.48,145.52)
  Bottom w0.2: J8.3 35.88,143.83 43.66,151.61 v1(146.84,151.61) ; U1.39 154.06,145.1 v1(154.48,145.52)
I2C1-SDA: length 127.4
  Top w0.2: v1(154.48,146.52) 153.32,146.52 147.64,152.2 v1(147.64,152.4)
  Bottom w0.2: U1.38 153.66,145.7 v1(154.48,146.52) ; v1(147.64,152.4) 42.86,152.4 36.83,146.37 J8.4
QSPI_SCLK: length 15.6
  Bottom w0.2: U4.6 169.23,139.48 169.07,139.64 167.42,139.64 165.5,137.72 159.14,137.72 157.59,139.28 U1.52
QSPI_SD0: length 13
  Bottom w0.2: U4.5 167.11,138.54 165.89,137.32 158.78,137.32 157.23,138.88 U1.53
QSPI_SD1: length 18.8
  Bottom w0.2: U1.55 156.89,138.07 165.19,129.78 169.46,129.78 170.5,130.81 U4.2
QSPI_SD2: length 17.2
  Bottom w0.2: U4.3 169.23,131.13 168.28,130.18 165.36,130.18 157.06,138.47 U1.54
QSPI_SD3: length 16.9
  Bottom w0.2: U4.7 170.5,139.28 169.74,140.04 167.25,140.04 165.33,138.12 159.49,138.12 157.93,139.68 U1.51
QSPI_SS: length 26.2
  Bottom w0.2: R16.1 R17.2 174.39,132.33 173.41,131.34 U4.1 171.77,130.49 170.65,129.38 165.03,129.38 156.73,137.68 U1.56
